# Altium PCB Board-PCB.PcbDoc (part 2 of 2)
Units mil, origin at the board's own origin, x right, y up, seen from the top; angles counter-clockwise.
Board outline 2362.2 x 3937.01 mil, 4 copper layers (Top Layer, Mid Layer 1, Mid Layer 2, Bottom Layer), stack 30.635 mil thick; 166 components, 151 nets, 694 pads, 360 vias.
Unrouted connection lines stored in the file: 349.
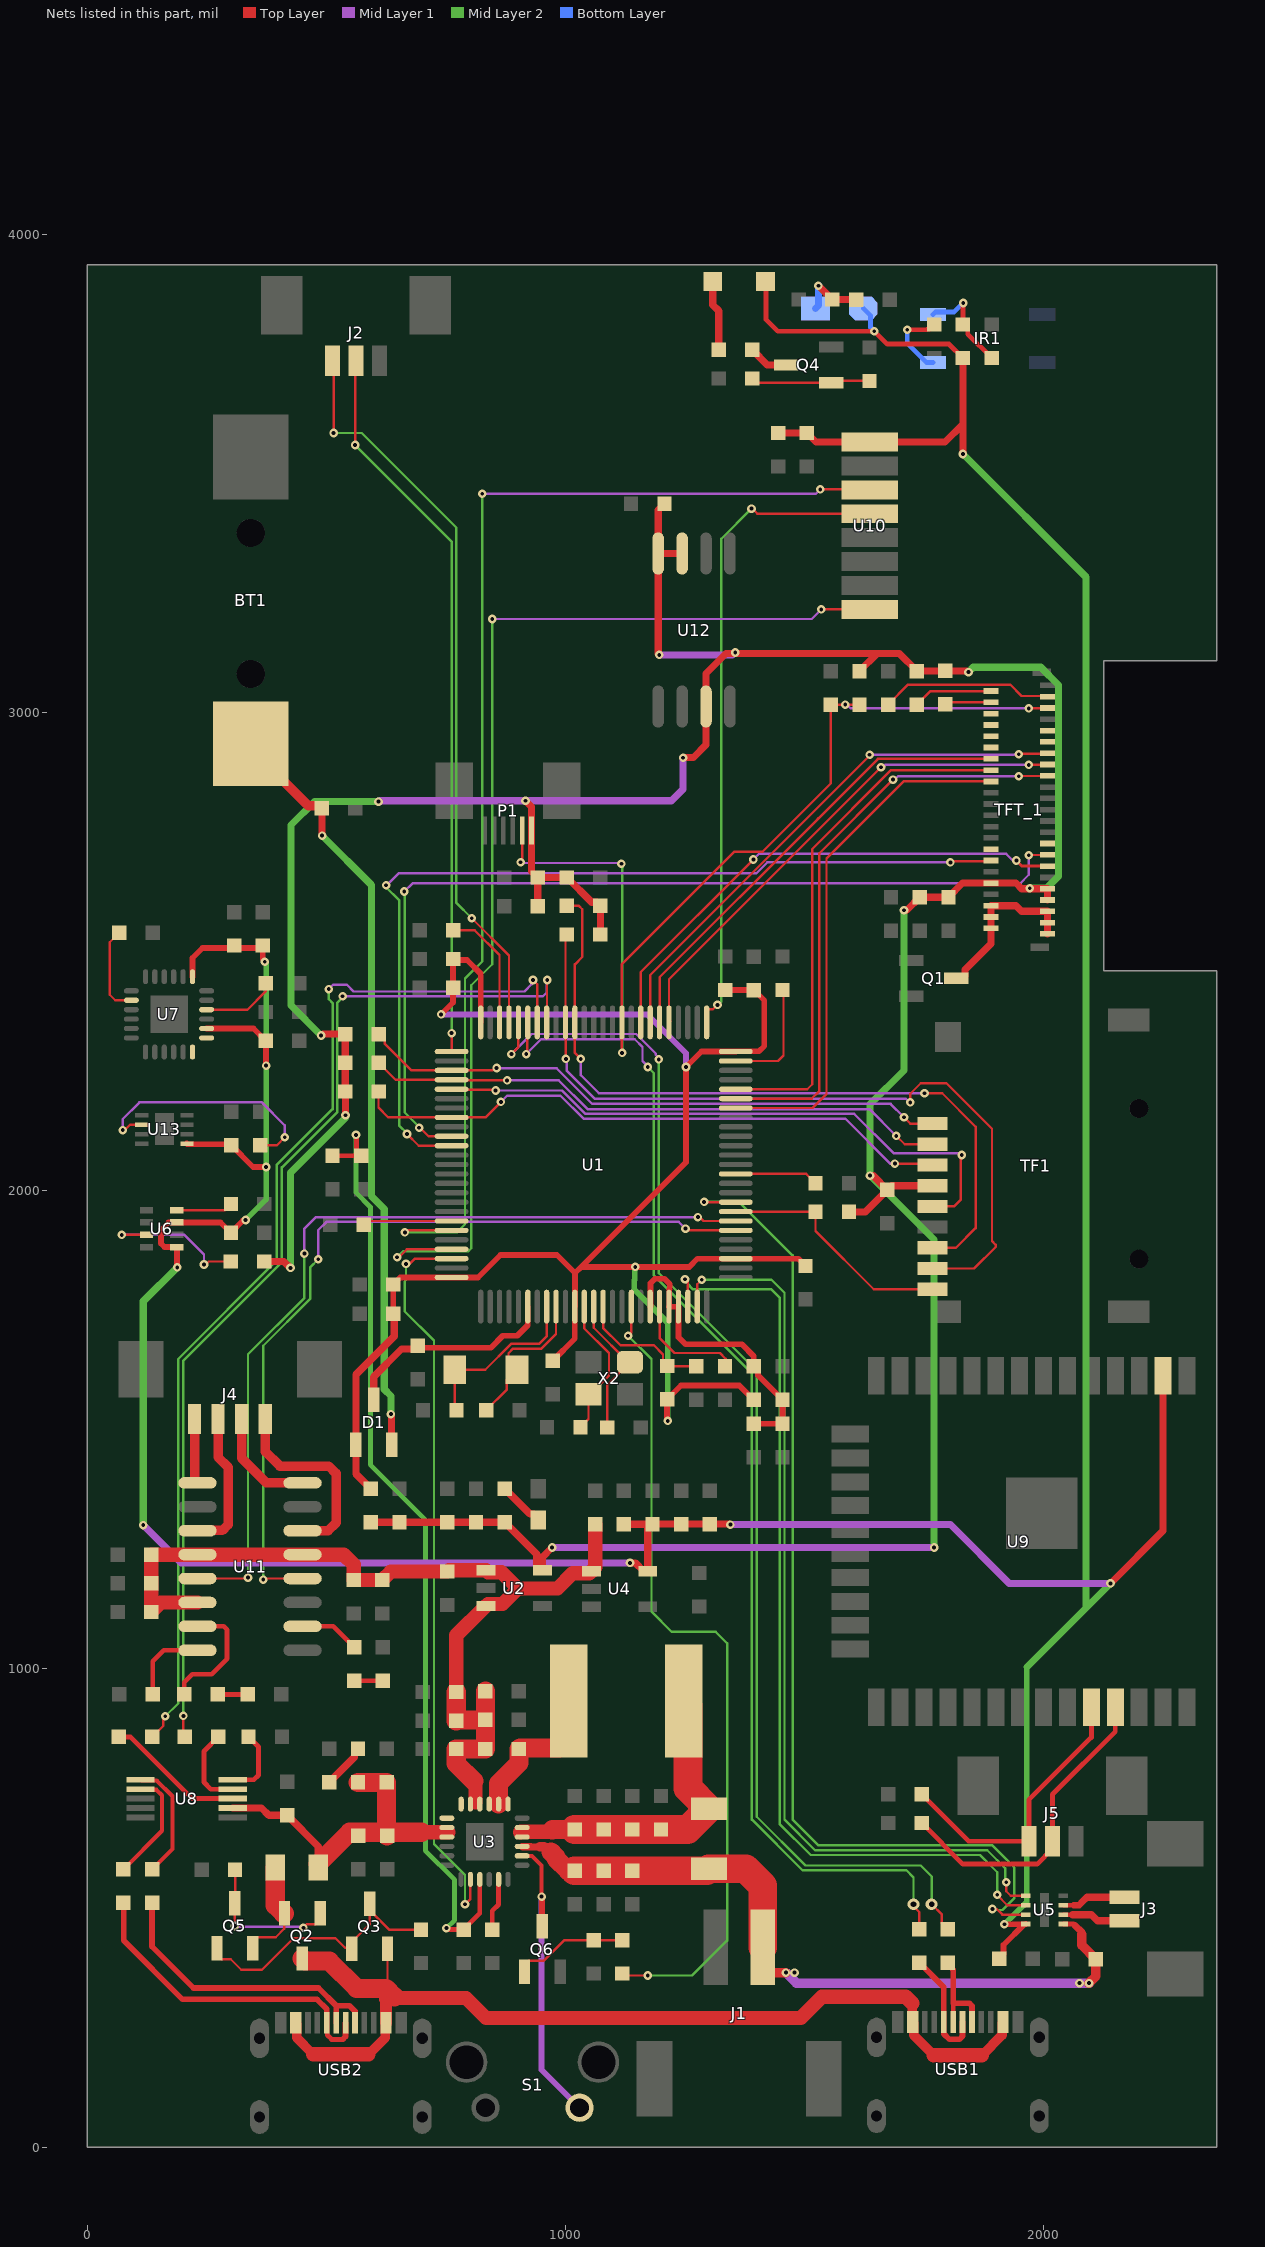
[diagram p4: the nets of this part, all layers, seen from the top]

## Via types
v1: diameter 18, hole 8, Top Layer to Bottom Layer, tented both sides, 353 vias
v2: diameter 27.56/15.75/15.75/27.56 (per signal layer), hole 27.56, Top Layer to Bottom Layer, tented both sides, 4 vias
v3: diameter 25, hole 12, Top Layer to Bottom Layer, tented both sides, 3 vias

## Nets (pads, with @x,y where several pads share a name; then routed paths per layer and width w, separated by ;. In a path a pad name is that pad's centre, name@x,y a point inside that pad or via, vN(x,y) a via of type N, cw(c..) or ccw(c..) an arc to the next point about the centre after c; other vN are vias at no path point) (continued)
LCD_D10: TFT_1.28 U1.44 | length 1104.9
  Top Layer w5: U1.44@1356.3,2173.23 1516.65,2173.23 1546,2202.57 1546,2695 1707.3,2856.3 TFT_1.28@1889.76,2856.3
LCD_D11: TFT_1.29 U1.45 | length 1222.5
  Top Layer w5: U1.45@1356.3,2192.92 1515.13,2192.92 1531,2208.79 1531,2706 v1(1685,2860) ; v1(1948,2867) 1948.56,2867.56 2007.32,2867.56 TFT_1.29@2007.87,2868.11
  Mid Layer 1 w5: v1(1685,2860) 1688.52,2860 1695.52,2867 v1(1948,2867)
LCD_D12: TFT_1.30 U1.46 | length 1098.1
  Top Layer w5: U1.46@1356.3,2212.6 1505.6,2212.6 1516,2223 1516,2715 1680.92,2879.92 TFT_1.30@1889.76,2879.92
LCD_D13: TFT_1.31 U1.55 | length 1071.1
  Top Layer w5: U1.55@1219.04,2354.86 U1.55@1216.54,2352.36 1216.54,2442.54 v1(1660,2886) ; v1(1969,2891) 1969.37,2891.37 2007.51,2891.37 TFT_1.31@2007.87,2891.73
  Mid Layer 1 w5: v1(1660,2886) 1663.52,2886 1668.52,2891 v1(1969,2891)
LCD_D14: TFT_1.32 U1.56 | length 981.5
  Top Layer w5: U1.56@1199.36,2354.86 U1.56@1196.86,2352.36 1196.86,2446.9 1528.98,2779.02 ; 1528,2778 1653.54,2903.54 TFT_1.32@1889.76,2903.54
LCD_D15: TFT_1.33 U1.57 | length 1126.5
  Top Layer w5: U1.57@1179.67,2354.86 U1.57@1177.17,2352.36 1177.17,2451.25 1636,2910.08 v1(1636,2912) ; v1(1948,2913) 1949.18,2914.18 2006.7,2914.18 TFT_1.33@2007.87,2915.35
  Mid Layer 1 w5: v1(1636,2912) 1636.5,2912.5 1947.5,2912.5 v1(1948,2913)
LCD_D16: TFT_1.34
LCD_D17: TFT_1.35 | length 0.7
  Top Layer w5: TFT_1.35@2007.39,2938.49 TFT_1.35@2007.87,2938.98
LCD_DE: TFT_1.36
LCD_HSYNC: TFT_1.38
LCD_IM0: R1.1 TFT_1.44 | length 166.5
  Top Layer w5: R1.1@1735,3017 1763.28,3045.28 TFT_1.44@1889.76,3045.28
LCD_IM1: R5.1 TFT_1.43 | length 360.6
  Top Layer w5: R5.1@1675,3017 1716.68,3058.68 1930.32,3058.68 1954,3035 2006.34,3035 TFT_1.43@2007.87,3033.46
LCD_IM2: R3.1 TFT_1.42 | length 96.9
  Top Layer w5: R3.1@1794.61,3017.44 1798.82,3021.65 TFT_1.42@1889.76,3021.65
LCD_LED-: Q1.3 TFT_1.1 TFT_1.2 TFT_1.3 TFT_1.4 TFT_1.5 TFT_1.6 | length 360.3
  Top Layer w15: Q1.3@1817.49,2444.4 1831.27,2444.4 1835.58,2448.71 1835.58,2462.49 1889.76,2516.68 TFT_1.2@1889.76,2549.21 TFT_1.4@1889.76,2572.83 TFT_1.6@1889.76,2596.46 1942.12,2596.46 1953.93,2584.65 TFT_1.5@2007.87,2584.65 TFT_1.3@2007.87,2561.02 TFT_1.1@2007.87,2537.4
LCD_MISO: TFT_1.17
LCD_MOSI: TFT_1.16
LCD_PCLK: TFT_1.37
LCD_RD: TFT_1.15 U1.85 | length 1982.7
  Top Layer w5: v1(694,2132) 696,2132 713.82,2114.18 U1.85@761.82,2114.18 ; v1(1969,2702) 1969.38,2702.38 2007.5,2702.38 TFT_1.15@2007.87,2702.76
  Mid Layer 1 w5: v1(663,2626) 680,2643 1951,2643 1969,2661 v1(1969,2702)
  Mid Layer 2 w5: v1(663,2626) 664,2625 664,2164 694,2134 v1(694,2132)
LCD_RS: TFT_1.13 U1.58 | length 1068.8
  Top Layer w5: U1.58@1157.49,2352.36 1157.49,2457.49 v1(1393,2693)
  Top Layer w6: v1(1943,2691) 1954.43,2679.57 2007.44,2679.57 TFT_1.13@2007.87,2679.13
  Mid Layer 1 w5: v1(1393,2693) 1405,2705 1921.57,2705 1935.57,2691 v1(1943,2691)
LCD_RST: C3.2 P1.2 R7.2 TFT_1.41 U1.60 | length 2109.9
  Top Layer w5: v1(906.22,2687.22) 909.45,2690.45 P1.2@909.45,2753.94 ; v1(1118.56,2288.44) 1118.12,2288.88 U1.60@1118.12,2352.36 1118.12,2474.33 1353.29,2709.5 1412.64,2709.5 1555,2851.86 C3.2@1555,3017 v1(1585,3017) R7.2@1615,3017 ; v1(1969,3009) 1969.42,3009.42 2007.45,3009.42 TFT_1.41@2007.87,3009.84
  Mid Layer 1 w5: v1(906.22,2687.22) 907.84,2685.61 1115.39,2685.61 v1(1117,2684) ; v1(1585,3017) 1588.52,3017 1596.52,3009 v1(1969,3009)
  Mid Layer 2 w5: v1(906.22,2687.22) v1@908,2689 ; v1(1117,2684) 1118.56,2682.44 v1(1118.56,2288.44)
LCD_VSYNC: TFT_1.40
LCD_WR: TFT_1.14 U1.86 | length 1927.5
  Top Layer w5: v1(668.5,2119) 693.01,2094.49 U1.86@761.82,2094.49 ; v1(1805,2687) 1806.97,2688.97 1887.79,2688.97 TFT_1.14@1889.76,2690.94
  Mid Layer 1 w5: v1@625.5,2638.5 651,2664 1399,2664 1422,2687 v1(1805,2687)
  Mid Layer 2 w5: v1(625,2639) 625,2635 652,2608 652,2137 668.5,2120.5 v1(668.5,2119)
MODULE_RX: J5.1 R4.1 U9.34 | length 599.3
  Top Layer w10: R4.1@1745,738 1843.14,639.86 J5.1@1969.28,639.86 1969.28,726.28 2099.99,856.99 U9.34@2099.99,920.09
MODULE_TX: J5.2 R2.1 U9.35 | length 672.9
  Top Layer w10: R2.1@1745,678 1831,592 1986.38,592 2018.49,624.11 J5.2@2018.49,639.86 2018.49,737.49 2149.99,868.99 U9.35@2149.99,920.09
MOTO_EN: U1.34 U5.7 | length 2179.2
  Top Layer w5: v1(1290,1977) 1290.62,1976.38 U1.34@1356.3,1976.38 ; v1(1893,498) 1902,498 1913.81,486.19 U5.7@1962.59,486.19
  Mid Layer 2 w5: v1(1290,1977) 1363,1977 1475,1865 1475,685 1529,631 1893,631 1939,585 1939,520.72 1914.28,496 1895,496 v1(1893,498)
MOTO_IN1: U1.23 U5.6 | length 1989.8
  Top Layer w5: v1(1250,1815) 1255.91,1809.09 U1.23@1255.91,1757.88 ; v1(1903,528) 1903,527 1924.14,505.86 U5.6@1962.55,505.86
  Mid Layer 2 w5: v1(1250,1815) 1250,1811.48 1259.71,1801.77 1259.71,1801.22 1266.93,1794 1431,1794 1448,1777 1448,676 1513,611 1867,611 1903,575 v1(1903,528)
MOTO_IN2: U1.24 U5.5 | length 1943.7
  Top Layer w5: U1.24@1275.6,1757.88 1275.6,1804.6 v1(1285,1814) ; v1(1922,554) 1922,535 1931.36,525.64 U5.5@1962.55,525.64
  Mid Layer 2 w5: v1(1285,1814) 1431,1814 1458,1787 1458,685 1522,621 1882,621 1920,583 1920,556 v1(1922,554)
NetBT1_1: BT1.1 C19.2 D1.2 | length 1601.8
  Top Layer w15: C19.2@485,2805 C19.2@490,2800 490.5,2799.5 490.5,2743.5 v1(491,2743) ; v1(635,1533) 635,1532.19 636.4,1530.79 D1.2@636.4,1468.51
  Top Layer w20: BT1.1@342,2935 342,2925.16 462.16,2805 C19.2@485,2805
  Mid Layer 2 w15: v1(491,2743) 594,2640 594,1989 621,1962 621,1585 635,1571 v1(635,1533)
NetC6_1: C6.1 D1.3 U1.6 | length 457
  Top Layer w12: C6.1@691,1676 695,1672 844,1672 869,1697 899,1697 921,1719 921,1757.62 U1.6@921.26,1757.88
  Top Layer w15: D1.3@599,1563 599,1611 657,1669 684,1669 C6.1@691,1676
NetC17_1: C17.1 C18.1 C24.2 L2.1 U1.19 U1.21 U1.22 | length 629.6
  Top Layer w12: U1.19@1177.17,1757.88 1177.66,1758.37 1177.66,1806.66 1187,1816 1207,1816 1218,1805 1218,1795.06 1217.03,1794.09 1217.03,1758.37 U1.21@1216.54,1757.88 U1.22@1236.23,1757.88 1236.23,1693.77 1251,1679 1369,1679 1394,1654 1394,1633.17 L2.1@1393.7,1632.87 1402.7,1623.87 1402.7,1614.3 C18.1@1454,1563 C17.1@1454,1513 C24.2@1394,1513
NetC20_2: C20.2 U1.49 | length 242.2
  Top Layer w5: U1.49@1356.3,2271.66 1444.66,2271.66 1456,2283 1456,2418.08 C20.2@1454.08,2420
NetC21_2: C21.2 U1.8 X1.1 | length 369.4
  Top Layer w5: C21.2@772,1541 768.7,1544.3 X1.1@768.7,1625.98 832.4,1625.98 886.42,1680 945,1680 960.63,1695.63 U1.8@960.63,1757.88
NetC22_2: C22.2 U1.9 X1.2 | length 327.1
  Top Layer w5: C22.2@834,1541 877.5,1584.5 877.5,1604.86 X1.2@898.62,1625.98 880.78,1643.83 880.78,1660.22 890.56,1670 950,1670 980.32,1700.32 U1.9@980.32,1757.88
NetC23_2: C23.2 U1.73 | length 259.3
  Top Layer w5: C23.2@765,2545.08 809.92,2545.08 862,2493 862,2352.57 U1.73@862.21,2352.36
NetC26_2: C26.2 U1.12 X2.3 | length 300.3
  Top Layer w5: C26.2@1031.5,1505.91 1048.23,1522.64 X2.3@1048.23,1574.8 1052.17,1574.8 1091,1613.64 1091,1660.75 1039.38,1712.37 U1.12@1039.38,1757.88
NetC27_2: C27.2 U1.13 X2.1 | length 306.2
  Top Layer w5: U1.13@1059.06,1757.88 1059.06,1713.58 1130.91,1641.73 X2.1@1134.84,1641.73 1087.6,1594.49 C27.2@1087.6,1504.92
NetC34_2: C34.2 R23.1 | length 94.9
  Top Layer w15: C34.2@505.92,763 558.46,815.54 558.46,825.5 R23.1@565.96,833
NetC40_1: C40.1 L3.1 U3.13 U3.14 U3.15 | length 324.9
  Top Layer w40: U3.14@860.24,717.52 860.24,760.83 902.56,803.15 C40.1@902.56,832.68 904.84,834.96 987.68,834.96 1007.05,854.33 L3.1@1007.05,933.07
NetC41_2: C41.2 C42.2 C43.2 C50.2 L3.2 R27.2 U3.10 U3.11 | length 661.6
  Top Layer w30: 905.51,658.46 906.5,659.45 968.5,659.45 972.44,663.39
  Top Layer w40: 972.44,663.39 973.43,664.37 C50.2@1019.69,664.37
  Top Layer w60: C50.2@1019.69,664.37 C42.2@1139.76,664.37 C41.2@1199.8,664.37 1255.35,664.37 R27.2@1298.98,708 ; L3.2@1247.05,933.07 1256.42,923.7 1256.42,750.56 R27.2@1298.98,708 ; R27.2@1300,708 R27.2@1298.98,708
NetC54_1: C54.1 IR1.4 R32.2 | length 213.8
  Top Layer w10: v1(1832,3857) 1831.19,3856.19 R32.2@1831.19,3811.95 1841.19,3801.95 1841.19,3791.99 C54.1@1891.23,3741.95
  Bottom Layer w10: IR1.4@1768.54,3832.75 1774.06,3838.27 1813.27,3838.27 v1(1832,3857)
NetC56_1: C56.1 U7.20 | length 188
  Top Layer w5: C56.1@67,2540 47,2520 47,2410 58.38,2398.62 U7.20@92.02,2398.62
NetC57_2: C57.2 U7.10 | length 156.3
  Top Layer w5: U7.10@249.5,2378.94 334.94,2378.94 373,2417 C57.2@373.03,2434.05
NetC60_2: C60.2 U8.10 | length 146.7
  Top Layer w10: U8.10@304,768.37 304.16,768.53 348.53,768.53 358,778 358,837 C60.2@337,858
NetC71_2: C71.2 U11.8 | length 172.1
  Top Layer w10: C71.2@136.93,946.85 136.93,1015.87 160.24,1039.17 U11.8@230.32,1039.17
NetC72_1: C72.1 R46.1 | length 63
  Top Layer w10: R46.1@272.64,946.85 C72.1@335.63,946.85
NetC73_1: C73.1 R47.1 | length 60
  Top Layer w10: R47.1@558.07,975.39 C73.1@618.11,975.39
NetD2_1: D2.1 R28.1 R29.2 | length 141.1
  Top Layer w15: v1(1529,3893) 1529.24,3893 R28.1@1558.07,3864.17 1558.16,3864.09 1607.91,3864.09 R29.2@1608,3864
  Bottom Layer w15: D2.1@1522.83,3845.47 1529,3851.64 v1(1529,3893)
NetD4_2: D4.2 R43.2 | length 148.2
  Top Layer w15: D4.2@1308,3902 1308,3853 1320.5,3840.5 R43.2@1320.5,3759
NetF1_1: F1.1 Q2.2 Q5.2 | length 229.5
  Top Layer w5: Q5.2@346,416 346,429.78 355.31,439.09 394.09,439.09 412,457 412,486.6 Q2.2@409.6,489
  Top Layer w40: F1.1@393,585 393,505.6 409.6,489 Q2.2@412.2,489
NetIR1_3: IR1.3 R33.2 | length 159.2
  Top Layer w10: v1(1715,3801) 1755.29,3801 1756.24,3801.95 1761.15,3801.95 R33.2@1771.15,3811.95
  Bottom Layer w10: v1(1715,3801) 1715,3772.51 1754.76,3732.75 IR1.3@1768.54,3732.75
NetJ3_1: J3.1 U5.3 | length 135
  Top Layer w10: U5.3@2041.4,505.94 2063.38,505.94 2063.66,505.66
  Top Layer w14: 2063.66,505.66 2063.94,505.94 2073.85,505.94 2082.68,514.76
  Top Layer w15: 2082.68,514.76 2090.55,522.64 J3.1@2169.29,522.64
NetJ3_2: J3.2 U5.2 | length 133.2
  Top Layer w10: U5.2@2041.41,486.16 2060.96,486.16
  Top Layer w15: 2060.96,486.16 2099.9,486.16 2112.63,473.43 J3.2@2169.29,473.43
NetLED1_1: LED1.1 R24.1 | length 99.3
  Top Layer w15: R24.1@873,1377 925.5,1324.5 934.5,1324.5 943,1316 LED1.1@943,1312
NetQ2_1: Q2.1 Q5.3 R49.2 | length 318.6
  Top Layer w5: v1@309,462 v1(308.6,462.4) Q5.3@308.6,510.49 309,510.89 R49.2@309,580 ; v1(452,459) 458.91,465.91 477.69,465.91 487,475.22 Q2.1@487,489
  Mid Layer 1 w5: v1(308.6,462.4) 310.3,460.7 450.3,460.7 v1(452,459)
NetQ3_1: Q3.1 Q3.3 Q5.1 R48.2 | length 579.4
  Top Layer w5: Q5.1@271.2,416 271.2,402.22 280.51,392.91 300.09,392.91 322,371 365,371 431,437 519,437 539,417 551,417 Q3.1@553,415 553,428.78 590.4,466.18 Q3.3@590.4,495.71 ; Q3.3@590.4,509.49 Q3.3@590.4,495.71 ; R48.2@698,455 631.11,455 Q3.3@590.4,495.71
NetQ4_1: Q4.1 R44.2 R45.2 | length 250.8
  Top Layer w5: R44.2@1390.39,3698.96 1399.39,3689.96 Q4.1@1556.1,3689.96 1560.04,3693.9 R45.2@1635.83,3693.9
NetQ4_3: Q4.3 R43.1 | length 84.2
  Top Layer w15: R43.1@1390.5,3759 1422.14,3727.36 Q4.3@1461.61,3727.36
NetQ6_1: Q6.1 R50.1 R51.2 | length 240.2
  Top Layer w5: Q6.1@914.2,367 914.2,380.78 923.51,390.09 955.09,390.09 998,433 R51.2@1059,433 R50.1@1119,433
NetQ6_3: Q6.3 S1.2 U3.8 | length 652.4
  Top Layer w8: U3.8@909.45,609.25 910.03,608.67 930.33,608.67 950,589 v1(950,524)
  Top Layer w12: v1(950,524) 950.8,523.2 950.8,462.29 Q6.3@951.6,461.49
  Mid Layer 1 w10: S1.2@1029.08,81.9 S1.2@1029.58,82.4
  Mid Layer 1 w12: v1(950,524) 950,161.98 S1.2@1029.58,82.4
NetR6_2: R6.2 U13.2 | length 524.2
  Top Layer w5: v1(74,2127) 78,2127 89.18,2138.18 U13.2@113.67,2138.18 ; R6.2@361.36,2095.46 396.46,2095.46 v1(413,2112)
  Mid Layer 1 w5: v1(74,2127) 74,2150 109,2185 365,2185 413,2137 v1(413,2112)
NetR11_1: R11.1 U1.37 | length 174.8
  Top Layer w5: U1.37@1356.3,2035.44 1503.56,2035.44 R11.1@1523,2016
NetR15_1: R15.1 U1.94 | length 187.1
  Top Layer w5: R15.1@578,1929 586.01,1937.01 U1.94@761.82,1937.01
NetR26_1: R26.1 U3.5 | length 110.5
  Top Layer w10: R26.1@847,455 847,494.24 860.24,507.48 U3.5@860.24,560.04
NetR30_1: R30.1 U6.2 | length 320.9
  Top Layer w5: v1(72,1908) 72.05,1908.05 U6.2@124.02,1908.05 ; v1(244,1846) 247.52,1846 253.86,1852.35 R30.1@300.22,1852.35
  Mid Layer 1 w5: v1(72,1908) 203,1908 244,1867 v1(244,1846)
NetR31_1: R31.1 U6.5 | length 118.6
  Top Layer w5: U6.5@187.02,1959.65 287.56,1959.65 R31.1@300.34,1972.43
NetR35_2: R35.2 U1.20 | length 238.4
  Top Layer w5: U1.20@1196.86,1757.88 1196.86,1692.14 1228,1661 1323,1661 1335,1649 1335,1634.21 R35.2@1333.66,1632.87
NetR36_1: R36.1 USB1.A7 USB1.B7 | length 246.8
  Top Layer w12: R36.1@1739.76,385.91 1791.14,334.53 USB1.B7@1791.14,261.81 1791.24,261.72 1791.24,237.3 1803.14,225.39 1823.82,225.39 1830.71,232.28 1830.61,232.39 1830.61,261.72 USB1.A7@1830.51,261.81
NetR37_1: R37.1 USB1.A6 USB1.B6 | length 204
  Top Layer w10: USB1.A6@1810.83,261.81 1810.83,301.18
  Top Layer w12: R37.1@1799.8,385.91 1808.8,376.91 1808.8,372.85 1810.83,370.83 1810.83,301.18 1844.34,301.18 1850.1,295.42 1850.1,261.91 USB1.B6@1850.2,261.81
NetR39_1: R39.1 U8.9 | length 173.4
  Top Layer w10: R39.1@274,858 244,828 244,763 258.32,748.68 U8.9@304,748.68
NetR40_1: R40.1 U8.8 | length 291.4
  Top Layer w10: R40.1@66,858 66.14,857.86 90.14,857.86 219,729 U8.8@304,729
NetR41_1: R41.1 USB2.A7 USB2.B7 | length 691.1
  Top Layer w10: USB2.B7@500.79,259.84 501.69,258.94 501.69,234.52 510.82,225.39 534.3,225.39
  Top Layer w12: R41.1@75.39,510.91 76,510.31 76,432 198.94,309.06 480.32,309.06 500.69,288.68 500.69,259.94 USB2.B7@500.79,259.84 ; 534.3,225.39 540.06,231.16 540.06,259.75 USB2.A7@540.16,259.84
NetR42_1: R42.1 USB2.A6 USB2.B6 | length 668
  Top Layer w9: USB2.A6@520.47,259.84 520.65,260.02 520.65,295.71
  Top Layer w12: R42.1@135.43,510.91 135.43,419.57 222,333 483.36,333 520.65,295.71 548.39,295.71 559.75,284.35 559.75,259.94 USB2.B6@559.84,259.84 ; USB2.A6@520.47,259.84 520.47,295.71
NetR46_2: R46.2 U11.7 | length 260.7
  Top Layer w10: R46.2@202.64,946.85 202.64,972.32 219.49,989.17 259.84,989.17 292.32,1021.65 292.32,1081.69 284.84,1089.17 U11.7@230.32,1089.17
NetR47_2: R47.2 U11.10 | length 125.9
  Top Layer w10: U11.10@450.32,1089.17 514.29,1089.17 R47.2@558.07,1045.39
NRF_CE: U1.95 U10.3 | length 2588.9
  Top Layer w5: v1(664.24,1913.24) 668.32,1917.32 U1.95@761.82,1917.32 ; v1(1533,3467) 1635.09,3467 U10.3@1635.94,3466.14
  Mid Layer 1 w5: v1(826,3458) 1524,3458 v1(1533,3467)
  Mid Layer 2 w5: v1(664.24,1913.24) 773.24,1913.24 790,1930 790,2444 826,2480 v1(826,3458)
NRF_CS: U1.51 U10.4 | length 1372.1
  Top Layer w5: U1.51@1295.28,2352.36 1295.28,2377.03 1298.06,2379.81 1308.29,2379.81 1314.48,2386 1315,2386 v1(1318,2389) ; v1(1389,3427) 1390.62,3427 1401.48,3416.14 U10.4@1635.94,3416.14
  Mid Layer 2 w5: v1(1318,2389) 1319.57,2389 1326,2395.43 1326,3364 v1(1389,3427)
NRF_IRQ: U1.97 U10.8 | length 2415.4
  Top Layer w5: v1(648,1861) 651.52,1861 668.47,1877.95 U1.97@761.82,1877.95 ; v1@1535,3216 v1(1535.14,3216.14) U10.8@1635.94,3216.14
  Mid Layer 1 w5: v1(847,3196) 1515,3196 v1(1535.14,3216.14)
  Mid Layer 2 w5: v1(648,1861) 661,1874 797,1874 803,1880 803,2430 847,2474 v1(847,3196)
NRST: C7.2 R14.2 U1.14 | length 281.9
  Top Layer w5: U1.14@1078.75,1757.88 1078.75,1713.25 1115,1677 1185,1677 1204,1658 1204,1642.46 R14.2@1212.6,1633.86 1213.58,1632.87 C7.2@1273.62,1632.87
P_DM: U3.18
P_DP: U3.19
PMU_IRQ: U1.98 U3.2 | length 1549.1
  Top Layer w5: v1(666.5,1847.33) 667.17,1848 675,1848 685.27,1858.27 U1.98@761.82,1858.27 ; v1(790,508) 801.18,519.18 U3.2@801.18,560.04
  Mid Layer 2 w5: v1(666.5,1847.33) 666.5,1813.66 664,1811.16 664,1748 725,1687 725,634 790,569 v1(790,508)
PWR_CTRL: R50.2 U1.17 | length 1719.2
  Top Layer w5: R50.2@1119,363 1123,359 v1(1172,359) ; v1(1131,1697) 1137.8,1703.8 U1.17@1137.8,1757.88
  Mid Layer 2 w5: v1(1131,1697) 1180,1648 1180,1120 1222,1078 1314,1078 1338,1054 1338,432 1265,359 v1(1172,359)
SD_DETECT: R16.1 TF1.9 U1.33 | length 502.3
  Top Layer w5: U1.33@1356.3,1956.69 1522.31,1956.69 R16.1@1523,1956 1523,1916 1644.71,1794.29 TF1.9@1767.91,1794.29
SDIO_CLK: TF1.5 U1.80 | length 1283.1
  Top Layer w5: U1.80@761.82,2212.6 762.97,2211.45 852.55,2211.45 v1(854,2210) ; TF1.5@1767.91,1967.52 1812.52,1967.52 1827,1982 1827,2073 v1(1829,2075)
  Mid Layer 1 w5: v1(854,2210) 992.86,2210 1041.86,2161 1604,2161 1686,2079 1821.48,2079 1825.48,2075 v1(1829,2075)
SDIO_CMD: R19.2 TF1.3 U1.83 | length 1280
  Top Layer w5: R19.2@609.37,2207.68 609,2207.31 609,2174 629.45,2153.55 U1.83@761.82,2153.55 832.55,2153.55 v1(865,2186) ; v1(1689,2057) 1765.05,2057 TF1.3@1767.91,2054.13
  Mid Layer 1 w5: v1(865,2186) 878,2199 989.72,2199 1037.72,2151 1585,2151 1679,2057 v1(1689,2057)
SDIO_D0: R20.2 TF1.7 U1.65 | length 1583
  Top Layer w5: R20.2@1003,2596 1028,2596 1035,2589 1035,2489.07 1019.69,2473.76 U1.65@1019.69,2352.36 1019.69,2288.31 v1(1032,2276) ; v1(1751,2204) 1788,2204 1857.91,2134.09 1857.91,1922.09 1816.72,1880.91 TF1.7@1767.91,1880.91
  Mid Layer 1 w5: v1(1032,2276) 1032,2242 1070,2204 v1(1751,2204)
SDIO_D1: R21.2 TF1.8 U1.66 | length 1690.3
  Top Layer w5: v1(1001,2276) 1000.5,2276.5 1000.5,2351.86 U1.66@1000,2352.36 1000,2533 R21.2@1003,2536 ; v1@1719,2187 v1(1721,2185) 1721,2203 ; v1@1721,2187 1721,2203 ; TF1.8@1767.91,1837.6 1854.6,1837.6 1899.93,1882.93 1899.93,1887.07 1892,1895 1892,2130 1797,2225 1743,2225 1721,2203
  Mid Layer 1 w5: v1(1001,2276) 1003,2274 1003,2251 1061,2193 1711.57,2193 1719.57,2185 v1(1721,2185)
SDIO_D2: R17.2 TF1.1 U1.78 | length 1244.3
  Top Layer w5: R17.2@609.37,2327.76 621.87,2315.26 621.87,2308.13 678.03,2251.97 U1.78@761.82,2251.97 847.45,2251.97 852.48,2257 v1(856,2257) ; v1(1708,2154) 1721.25,2140.75 TF1.1@1767.91,2140.75
  Mid Layer 1 w5: v1(856,2257) 856.5,2256.5 981.5,2256.5 1056,2182 1680,2182 v1(1708,2154)
SDIO_D3: R18.2 TF1.2 U1.79 | length 1229.1
  Top Layer w5: R18.2@609.37,2267.72 644.8,2232.29 U1.79@761.82,2232.29 762.46,2231.64 877.36,2231.64 v1(878,2231) ; v1(1692,2115) 1709.56,2097.44 TF1.2@1767.91,2097.44
  Mid Layer 1 w5: v1(878,2231) 986,2231 1046,2171 1636,2171 v1(1692,2115)
SPK_L+: J4.1 U11.1 | length 138.3
  Top Layer w20: J4.1@224.41,1522.64 224.41,1391.02 225.49,1389.94 229.55,1389.94 U11.1@230.32,1389.17
SPK_L-: J4.2 U11.3 | length 298.7
  Top Layer w20: U11.3@230.32,1289.17 231.08,1289.94 282.58,1289.94 294.29,1301.65 294.29,1422.24 273.62,1442.91 J4.2@273.62,1522.64
SPK_MUTE: U1.32 U11.5 | length 1809.5
  Top Layer w5: U11.5@230.32,1189.17 334.17,1189.17 v1(336.09,1191.09) ; v1(1277,1945) 1280.52,1945 1288.51,1937.01 U1.32@1356.3,1937.01
  Mid Layer 1 w5: v1(454,1868.75) 454,1921 478,1945 v1(1277,1945)
  Mid Layer 2 w5: v1(336.09,1191.09) 336.09,1658.23 454,1776.14 454,1876 v1@455,1877
SPK_R+: J4.3 U11.16 | length 230.6
  Top Layer w20: J4.3@322.83,1522.64 322.83,1440.94 374.61,1389.17 U11.16@450.32,1389.17
SPK_R-: J4.4 U11.14 | length 415.1
  Top Layer w20: J4.4@372.05,1522.64 372.05,1454.72 402.56,1424.21 504.92,1424.21 520.26,1408.87 520.26,1305.69 503.94,1289.37 450.51,1289.37 U11.14@450.32,1289.17
SPK_SHND: U1.31 U11.12 | length 1751.1
  Top Layer w5: v1(368,1187) 370.17,1189.17 U11.12@450.32,1189.17 ; v1(1251,1921) 1254.52,1921 1258.2,1917.32 U1.31@1356.3,1917.32 U1.31@1355.15,1918.47
  Mid Layer 1 w5: v1(483,1857) 483,1918 500,1935 1237,1935 v1(1251,1921)
  Mid Layer 2 w5: v1(368,1187) 368,1676 466,1774 466,1840 v1(483,1857)
SW_CLK: J2.2 U1.76 | length 1530.1
  Top Layer w5: v1(560,3560) 560,3732.21 559,3733.21 J2.2@562.01,3736.22 ; U1.76@761.82,2291.34 v1(761.82,2329.82)
  Mid Layer 2 w5: v1(560,3560) 761.82,3358.18 v1(761.82,2329.82)
SW_DIO: J2.1 U1.72 | length 1571.3
  Top Layer w5: J2.1@512.8,3736.22 515,3734.02 v1(515,3585) ; v1(804,2570) 881.89,2492.11 U1.72@881.89,2352.36
  Mid Layer 2 w5: v1(515,3585) 574,3585 772,3387 772,2602 v1(804,2570)
USB_D+: R42.2 U8.1 | length 251.8
  Top Layer w9: U8.1@111,768.37 112.5,766.87 144.93,766.87 178,733.8 178,623.48 R42.2@135.43,580.91
USB_D-: R41.2 U8.2 | length 238.7
  Top Layer w9: R41.2@75.39,580.91 156,661.52 156,736 144.82,747.18 112.5,747.18 U8.2@111,748.68
USB_DM: R36.2 U1.70 | length 2542
  Top Layer w5: v1(918,2286) 920.11,2288.11 920.11,2351.21 U1.70@921.26,2352.36 ; v3(1728,508) 1728,503.24 1739.76,491.48 R36.2@1739.76,455.91
  Mid Layer 1 w5: v1(918,2286) 949,2317 1144.86,2317 1161.07,2300.79 1161.07,2271.41 1172,2260.48 v1(1172,2259)
  Mid Layer 2 w5: v1(1172,2259) 1185,2246 1185,1823 1390,1618 1390,685 1496,579 1713,579 1728,564 v3(1728,508)
USB_DP: R37.2 U1.71 | length 2634
  Top Layer w5: v1(887,2286) 901.58,2300.58 U1.71@901.58,2352.36 ; v3(1766,508) 1787.3,486.7 1787.3,468.41 R37.2@1799.8,455.91
  Mid Layer 1 w5: v1(887,2286) 929,2328 1148,2328 1189,2287 1189,2284.52 1195,2278.52 v1(1195,2275)
  Mid Layer 2 w5: v1(1195,2275) 1195,1828 1400,1623 1400,691 1502,589 1743,589 1766,566 v3(1766,508)
USB_RX: R40.2 U1.69 | length 2265.8
  Top Layer w5: R40.2@136,858 159.17,881.17 159.17,897.17 v1(163,901) ; v1(932,2441) 940.95,2432.05 U1.69@940.95,2352.36
  Mid Layer 1 w5: v1(505,2422) 514,2431 543,2431 557,2417 914,2417 929.51,2432.51 929.51,2438.51 v1(932,2441)
  Mid Layer 2 w5: v1(163,901) 190,928 190,1648.14 396,1854.14 396,2054 513,2171 513,2393 505,2401 v1(505,2422)
USB_TX: R39.2 U1.68 | length 2234.1
  Top Layer w5: v1(201,902) 201,861 R39.2@204,858 ; U1.68@960.63,2352.36 961.31,2353.04 961.31,2440.31 v1(962,2441)
  Mid Layer 1 w5: v1(534,2407) 953,2407 961,2415 961,2440 v1(962,2441)
  Mid Layer 2 w5: v1(201,902) 201,1645 407,1851 407,2049 523,2165 523,2394 534,2405 v1(534,2407)
VBUS: Q2.3 Q3.2 USB1.A4B9 USB1.B4A9 USB2.A4B9 USB2.B4A9 | length 2096.7
  Top Layer w5: 624.8,331.98 627.8,334.98 Q3.2@627.8,415
  Top Layer w20: USB2.A4B9@435.83,259.84 437.64,258.03 437.64,228.89 472.44,194.08 ; 588.19,194.08 623.23,229.13 623.23,258.27 USB2.B4A9@624.8,259.84 ; 1725,301 1725,262.99 USB1.A4B9@1726.18,261.81 1727.99,260 1727.99,234.42 1770.48,191.93 ; 1870.86,191.93 1913.35,234.42 1913.35,260 USB1.B4A9@1915.16,261.81
  Top Layer w25: USB2.B4A9@624.8,259.84 624.8,309.84
  Top Layer w30: 472.44,194.08 588.19,194.08 ; 624.8,309.84 626.96,312 792,312 834,270 1492,270 1536.57,314.57 1711.43,314.57 1725,301 ; 1770.48,191.93 1870.86,191.93
  Top Layer w40: Q2.3@449.6,394.51 455.19,388.92 506.32,388.92 563.27,331.98 624.8,331.98 642.21,314.57
VCC_3V3: C1.1 C2.1 C4.1 C5.1 C8.2 C28.1 C31.2 C32.2 L1.2 P1.1 R1.2 R3.2 R7.1 R9.2 R10.2 R16.2 R17.1 R18.1 R19.1 R20.1 R21.1 R24.2 R30.2 TF1.4 TFT_1.7 TFT_1.9 TFT_1.10 U2.5 U12.3 U12.7 U12.8 | length 7821.5
  Top Layer w15: R30.2@370.22,1852.35 410.84,1852.35 424.19,1839 v1(425,1839) ; v1(489,2325) 489.81,2325 492.57,2327.76 R17.1@539.37,2327.76 R18.1@539.37,2267.72 R19.1@539.37,2207.68 539.69,2207.36 539.69,2158.31 v1(540,2158) ; L1.2@593,1307 C8.2@653,1307 C31.2@753,1307 C32.2@813,1307 R24.2@873,1307 939.98,1240.02 939.98,1210.02 943.31,1206.69 U2.5@951.77,1206.69 951.77,1233.77 v1(972,1254) ; v1(916.5,2816) 929.13,2803.37 P1.1@929.13,2753.94 929.13,2668.2 R9.2@941.99,2655.34 ; R10.2@941.99,2595.3 R9.2@941.99,2655.34 ; R21.1@1073,2536 R20.1@1073,2596 1065.5,2603.5 1054.85,2603.5 C5.1@1003.02,2655.34 R9.2@941.99,2655.34 ; v1(1196,3121) 1194,3123 U12.8@1194,3333 ; C2.1@1207,3437 1194,3424 U12.8@1194,3333 ; U12.7@1244,3333 U12.8@1194,3333 ; v1(1246,2906) 1246.57,2906.57 1267.57,2906.57 1294,2933 U12.3@1294,3013 1294,3082 1336,3124 1652,3124 ; R16.2@1593,1956 1627,1956 C28.1@1673,2002 ; R7.1@1615,3087 1652,3124 ; v1(1637,2032) 1637.57,2031.43 1643.57,2031.43 C28.1@1673,2002 ; v1@1708,2587.06 v1(1708,2587) 1708.57,2587.57 1714.35,2587.57 C4.1@1740.94,2614.16 C1.1@1800.98,2614.16 1830.52,2643.7 TFT_1.10@1889.76,2643.7 1942.12,2643.7 1953.93,2631.89 TFT_1.9@2007.87,2631.89 TFT_1.7@2007.87,2608.27 ; TF1.4@1767.91,2010.83 1681.83,2010.83 C28.1@1673,2002 ; v1(1843,3085) 1842.19,3085 1839.75,3087.44 R3.2@1794.61,3087.44 1794.39,3087.22 1735.22,3087.22 R1.2@1735,3087 1698,3124 1652,3124
  Mid Layer 1 w15: v1(609,2814) 611,2816 v1(916.5,2816) 1222,2816 1246,2840 v1(1246,2906) ; v1(972,1254) v1(1771,1254) ; v1(1196,3121) 1349.19,3121 1354.19,3126 v1(1355,3126)
  Mid Layer 2 w15: v1(425,1839) 425,2038 539.43,2152.43 539.43,2157.43 v1(540,2158) ; v1(489,2325) 426,2388 426,2765 475,2814 v1(609,2814) ; v1(1708,2587) 1708,2252 1637,2181 v1(1637,2032) 1771,1898 v1(1771,1254) ; v1(1843,3085) 1853,3095 1994,3095 2031,3058 2031,2658 2006,2633 v1(1971,2633)
VCC_3V3_DEV: C47.2 C48.2 C52.1 C53.2 C55.1 C58.2 C59.2 C62.1 C63.1 C64.1 C65.1 C74.1 D2.2 D4.1 R32.1 U4.5 U5.8 U6.6 U6.8 U7.8 U7.13 U9.2 U10.1 U13.5 | length 9450.9
  Top Layer w10: D4.1@1419.34,3903.1 1419.34,3822.66 1444.07,3797.93 1645.93,3797.93 1672.87,3771 1802.14,3771 R32.1@1831.19,3741.95
  Top Layer w12: v1(188,1840) 187.51,1840.49 187.51,1881.95 U6.8@187.02,1882.45 161.55,1882.45 154,1890 154,1918 170,1934 186.97,1934 U6.6@187.02,1934.05 278.68,1934.05 C53.2@300.34,1912.39 325.8,1937.85 329.85,1937.85 v1(331,1939) ; U13.5@208.16,2098.81 209.24,2097.73 299.05,2097.73 C74.1@301.32,2095.46 346.78,2050 v1(374,2050) ; U7.13@219.97,2447.83 219.97,2486.97 241,2508 362,2508 C59.2@367,2513 367,2484.62 371,2480.62 v1(371,2479) ; U7.8@249.5,2339.57 347.32,2339.57 C55.1@372.91,2313.98 373.46,2313.43 373.46,2262.54 v1(374,2262) ; C52.1@1907.36,393.7 1916.36,402.7 1916.36,423.05 U5.8@1959.57,466.26 ; v1(1918,466) 1918.26,466.26 U5.8@1959.57,466.26 ; U5.8@1962.59,466.52 1962.33,466.26 U5.8@1959.57,466.26
  Top Layer w15: C47.2@1122.05,1302.91 1122.39,1302.57 C48.2@1181.74,1302.57 ; v1(1135,1222) 1146.11,1222 1163.39,1204.72 U4.5@1172.24,1204.72 ; U4.5@1175.57,1208.05 U4.5@1172.24,1204.72 ; v1(1345,1302) 1344.19,1302 1343.19,1303 C62.1@1302,1303 C62.1@1302,1303 C48.2@1182.09,1302.91 C48.2@1182.09,1302.91 C48.2@1181.74,1302.57 ; C64.1@1445,3585 C65.1@1505,3585 1523.86,3566.14 U10.1@1635.94,3566.14 1636.09,3566 1794,3566 1831.19,3603.19 ; v1(1831.19,3541.19) 1831.19,3603.19 ; R32.1@1831.19,3741.95 1831.19,3603.19 ; v1(2140,1179) 2249.99,1288.99 U9.2@2249.99,1613 ; U4.5@1172.24,1204.72 1172.24,1293.07 C48.2@1181.74,1302.57
  Mid Layer 1 w15: v1(117,1301) 196,1222 v1(1135,1222) ; v1(1345,1302) 1805,1302 1928,1179 v1(2140,1179)
  Mid Layer 2 w12: v1(331,1939) 374,1982 v1(374,2050) v1(374,2262) 374,2474.38 371,2477.38 v1(371,2479) ; v1(1918,466) 1965,513 1965,1004
  Mid Layer 2 w15: v1(117,1301) 117,1769 v1(188,1840) ; v1(1831.19,3541.19) 2089,3283.38 2089,1131 2092,1131 ; 1965,1004 2092,1131 ; v1(2140,1179) 2092,1131
  Bottom Layer w10: D2.2@1622.83,3845.47 1638.26,3830.04 1638.26,3805.74 v1(1646,3798)
VCC_3V3_M: C9.2 C10.2 C11.2 C12.2 C13.2 C14.2 C15.2 C16.2 D1.1 L1.1 L2.2 R14.1 U1.11 U1.28 U1.50 U1.75 U1.100 | length 3952.6
  Top Layer w12: C14.2@639.88,1743.11 639.82,1743.17 639.82,1804.07 C11.2@639.76,1804.13 654.53,1818.9 U1.100@761.82,1818.9 816.9,1818.9 864,1866 982,1866 1020,1828 ; v1(740,2369) 765,2394 C16.2@765,2425 C10.2@765,2485.04 767.04,2483 794,2483 822.84,2454.16 U1.75@822.84,2352.36 ; C13.2@973.43,1644.8 1019.69,1691.07 U1.11@1019.69,1757.88 1020,1758.19 1020,1828 ; v1(1214,1519) 1212.6,1520.4 R14.1@1212.6,1563.86 1241.74,1593 1363.57,1593 L2.2@1393.7,1562.87 ; C15.2@1334,2420 1334.06,2419.94 1393.98,2419.94 C9.2@1394.04,2419.88 1416,2397.92 1416,2303 1404.83,2291.83 1356.79,2291.83 U1.50@1356.3,2291.34 1284.34,2291.34 v1(1252,2259) 1252,2060 1033,1841 ; C12.2@1502,1843 1486.73,1858.27 U1.28@1356.3,1858.27 1276.27,1858.27 1259,1841 v1(1146,1841) 1033,1841 ; 1020,1828 1033,1841
  Top Layer w15: L1.1@593,1377 561.6,1408.4 D1.1@561.6,1468.51 561.6,1615.6 642,1696 642,1740.99 C14.2@639.88,1743.11
  Mid Layer 1 w12: v1(740,2369) 1171,2369 1252,2288 v1(1252,2259)
  Mid Layer 2 w12: v1(1146,1841) 1144.85,1839.85 1144.85,1814.23 1144,1813.38 1144,1794 1214,1724 v1(1214,1519)
VCC_5V: C33.2 C35.2 C36.2 C37.2 C38.2 C40.2 C49.2 C66.1 C67.1 C68.1 C69.1 C70.2 R25.2 U2.1 U2.3 U3.16 U3.17 U4.1 U11.4 U11.6 U11.13 | length 2047.1
  Top Layer w30: C70.2@133.86,1119.09 C70.2@133.98,1119.21 ; U11.6@230.32,1139.17 153.94,1139.17 C70.2@133.98,1119.21 ; R25.2@771.65,951.77 771.65,1070.39 833.15,1131.89 U2.3@833.66,1131.89 837.84,1136.06 868.35,1136.06 900.59,1168.31 ; 808.07,765.75 812.01,761.81 812.01,721.46 ; C49.2@1062.01,1303.03 1062.01,1212.6 1058.82,1209.41 1058.82,1208.9 1054.65,1204.72 U4.1@1054.13,1204.72 1049.96,1200.55 1015.51,1200.55 983.27,1168.31 900.59,1168.31 ; C70.2@133.98,1119.21 C66.1@133.98,1239.17 U11.4@230.32,1239.17 U11.13@450.32,1239.17 536.42,1239.17 557.09,1218.5 C69.1@557.09,1186.14 617.01,1186.14 C68.1@617.13,1186.02 634.96,1203.86 C33.2@752.95,1203.86 755.79,1206.69 U2.1@833.66,1206.69 837.84,1202.52 866.38,1202.52 900.59,1168.31
  Top Layer w40: R25.2@771.65,951.77 C36.2@771.65,891.73 773.62,893.7 C38.2@832.56,893.7 ; 808.07,765.75 771.65,802.17 C37.2@771.65,832.68 C40.2@832.56,832.68 C38.2@832.56,893.7 ; C35.2@832.56,953.74 C38.2@832.56,893.7
VCC_BAT: C44.2 C45.2 C46.2 C51.2 J1.2 R27.1 U3.9 U5.1 | length 1572.3
  Top Layer w10: U5.1@2041.36,466.49 2041.44,466.41 2063.12,466.41
  Top Layer w15: U3.9@909.45,628.94 910.12,628.26 927.48,628.26 927.79,627.95 945.87,627.95 ; 2065.94,463.58 2079.72,449.8 2079.72,444.88
  Top Layer w20: 945.87,627.95 955.71,627.95 967.94,615.73 ; J1.2@1412.4,418.31 1412.4,380.59 1427.99,365 v1(1461,365) ; 2079.72,444.88 2079.72,422.36 C51.2@2109.37,392.72 2109.37,357.37 v1(2095,343)
  Top Layer w40: 969.68,617.47 980,607.15 980,603.66 1005.91,577.76 C46.2@1019.69,577.76
  Top Layer w60: C46.2@1019.69,577.76 C45.2@1079.72,577.76 1295.74,577.76 R27.1@1300,582.01 1377.25,582.01 1412.4,546.87 J1.2@1412.4,418.31
  Mid Layer 1 w20: v1(1461,365) 1483,343 v1(2095,343)
  other v1: 2075,343 1479,365
VCC_USB: C29.2 C30.2 C61.1 F1.2 R22.2 R23.2 U3.20 U3.21 U8.7 | length 728
  Top Layer w15: U8.7@304,709.31 364.36,709.31 379.67,694 C61.1@418,694 483,629 483,592.5 F1.2@483,585
  Top Layer w30: 698.82,658.46 754.92,658.46
  Top Layer w40: F1.2@483,592.5 548.96,658.46 C29.2@626,658.46 ; R23.2@565.96,763 R22.2@626,763 C29.2@626,658.46 ; C29.2@627,651 626,652 C29.2@626,658.46 ; 698.82,658.46 C29.2@626,658.46
VREG: C39.2 R12.2 R13.2 U3.3 | length 2015.9
  Top Layer w10: R13.2@512.83,2073.32 R12.2@572.87,2073.32 562.87,2083.32 562.87,2116.13 v1(562,2117) ; v1(751,458) 753.16,458 756.16,455 C39.2@787,455 797,465 820.87,488.87 U3.3@820.87,560.04
  Mid Layer 2 w10: v1(562,2117) 562,1996.25 592,1966.25 592,1427 707,1312 707,620 768,559 768,475 v1(751,458)
XCL: U7.7
XDA: U7.6
pads on no net: BT1. J1.3 J1.4 J2.0 J3.0 J4.0 J5.0 TF1.0 TFT_1.0 TFT_1.11 U1.3 U1.4 U1.5 U1.7 U1.15 U1.16 U1.67 U1.84 U1.87 U2.4 U3.4 U3.6 U3.23 U4.4 U7.2 U7.3 U7.4 U7.5 U7.14 U7.15 U7.16 U7.17 U7.19 U7.21 U7.22 U8.4 U8.5 U8.6 U9.4 U9.5 U9.6 U9.7 U9.8 U9.9 U9.10 U9.11 U9.12 U9.17 U9.18 U9.19 U9.20 U9.21 U9.22 U9.24 U9.26 U9.27 U9.28 U9.29 U9.30 U9.31 U9.32 U9.33 U9.36 U9.37 U11.9 U13.3 U13.6 USB1.A5 USB1.A8 USB1.B5 USB1.B8 USB2.A5 USB2.A8 USB2.B5 USB2.B8
copper on no net:
  other v2: 416.54,207.87 644.09,207.87 1706.89,209.84 1934.45,209.84

## Polygon pours and split planes (outlines as drawn)
GND on Mid Layer 1 "GND_L02_P023" (solid, remove dead copper, pour order 23): 0,3937.01 2362.2,3937.01 2362.2,0 0,0
VCC_BAT on Mid Layer 1 "NONET_L01_P-001" (solid, remove dead copper, pour order 22): 1447,379 1491.5,379 1491.5,350 1447,350
VCC_BAT on Mid Layer 1 "NONET_L01_P-001" (solid, remove dead copper, pour order 1): 2061,358 2105.5,358 2105.5,329 2061,329
GND on Top Layer "GND_L01_P024" (solid, remove dead copper, pour order 24): 0,3937 2362.2,3937 2362.2,-0.01 0,-0.01
VCC_BAT on Top Layer "NONET_L01_P-001" (solid, remove dead copper, pour order 21): 1447,379 1491.5,379 1491.5,350 1447,350
VCC_BAT on Top Layer "NONET_L01_P-001" (solid, remove dead copper, pour order 9): 2061.5,358 2106,358 2106,329 2061.5,329
no net on Top Layer "NONET_L01_P-001" (solid, remove dead copper, pour order 0): 2075,360
GND on Mid Layer 2 "GND_L03_P002" (solid, remove dead copper, pour order 2): 0,3937 2362.2,3937 2362.2,-0.01 0,-0.01
GND on Bottom Layer "GND_L04_P003" (solid, remove dead copper, pour order 3): 0,3937 2362.2,3937 2362.2,-0.01 0,-0.01

## Keep-outs
Keep-Out Layer:
  circle w10: c137.48,3799.06 r118.11
  circle w10: c2224.33,3799.29 r118.11
  circle w10: c2224.33,137.56 r118.11
  circle w10: c137.91,137.64 r118.11
  lines w5: 0,0 0,3937.01 2362.2,3937 2362.2,3109 2126,3109 2126,2460 2362.2,2460 2362.2,0 0,0
  lines w6: 675,3591 675,3715 1099,3715 1099,3591 675,3591

## Other copper
Top Layer:
  pour cut-out: 753,4354

## Silkscreen, mask and mechanical layers (free items; w line width, h text height)
Top Overlay:
  circle w10: c210.5,2628.43 r19.68
  lines w10: 110.43,2628.43 123.89,2644.18 ; 112.66,2628.43 123.89,2612.68 ; 123.89,2628.43 92.39,2628.43 ; 190.81,2628.43 92.39,2628.43 ; 210.5,2648.11 210.5,2746.54 ; 210.5,2715.04 210.5,2746.54 ; 210.5,2726.27 194.76,2715.04 ; 210.5,2728.49 226.25,2715.04 ; 92.39,2628.43 123.89,2612.68 ; 92.39,2628.43 123.89,2644.18 ; 123.89,2612.68 123.89,2644.18 ; 194.76,2715.04 226.25,2715.04 ; 194.76,2715.04 210.5,2746.54 ; 210.5,2746.54 226.25,2715.04 ; 210.49,2628.43 210.5,2628.43
  text "SWD" at 338,3725 h32
  text "D C G" at 488,3647 h32
  text "JLCJLCJLCJLC" at 79,3220 h32
  text "X" at 195.14,2772.81 h32
  text "Y" at 33.72,2606.47 h32
  text "TF CARD" at 1876,2359 h32
  text "SPEAKER" at 201,1711 h32
  text "L" at 164,1488 h32
  text "R" at 407,1486 h32
  text "+ - + -" at 192,1444 h32
  text "RTG" at 1846,605 h32
  text "+" at 1470,430.34 h100
  text "USB1" at 284,311 h32
  text "USB2" at 1614,311 h32
  text "SWITCH" at 843,255 h32
  text "BATTERY" at 1253,19 h32
Bottom Overlay:
  text "XC-HW" at 849,3766 h100
  text "Ver 2.1" at 594,3691 h45
Mechanical 1:
  circle w6: c137.91,137.64 r68.9
  circle w6: c2224.33,137.56 r68.9
  circle w6: c2224.33,3799.29 r68.9
  circle w6: c137.48,3799.06 r68.9
  lines w5: 2362,2460 2125.98,2460 2125.98,3109 2362,3109 ; 2362.2,2460 2362.2,0 0,0 0,3937.01 2362.2,3937.01 2362.2,3109
  lines w6: 675,3591 1099,3591 1099,3715 675,3715 675,3591

## Text inside footprints (layer, text, board x,y; h text height)
U9: Top Overlay "WIFI" at 1847.82,1051.55 h80